# KiCad board open_jip.kicad_pcb
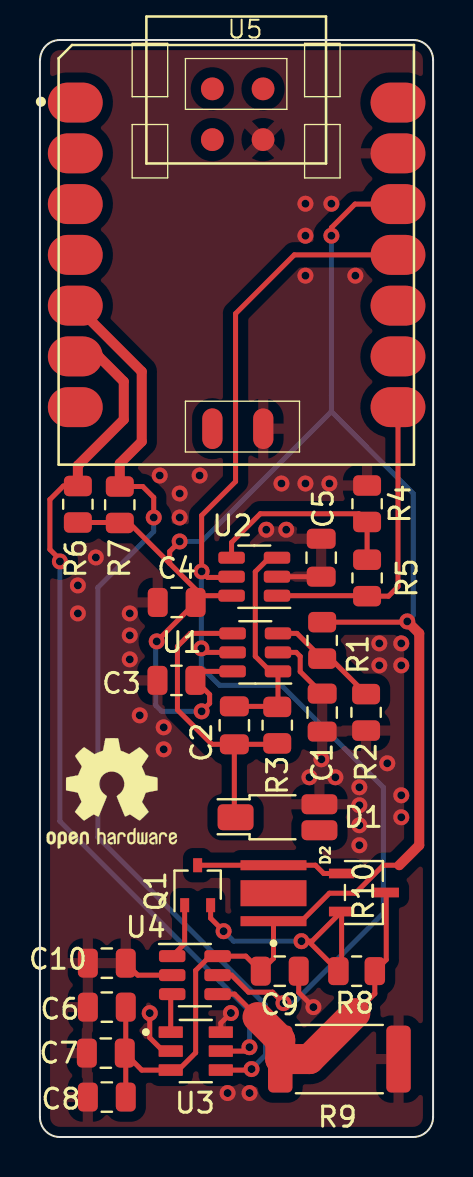
[diagram p0: board, top side]
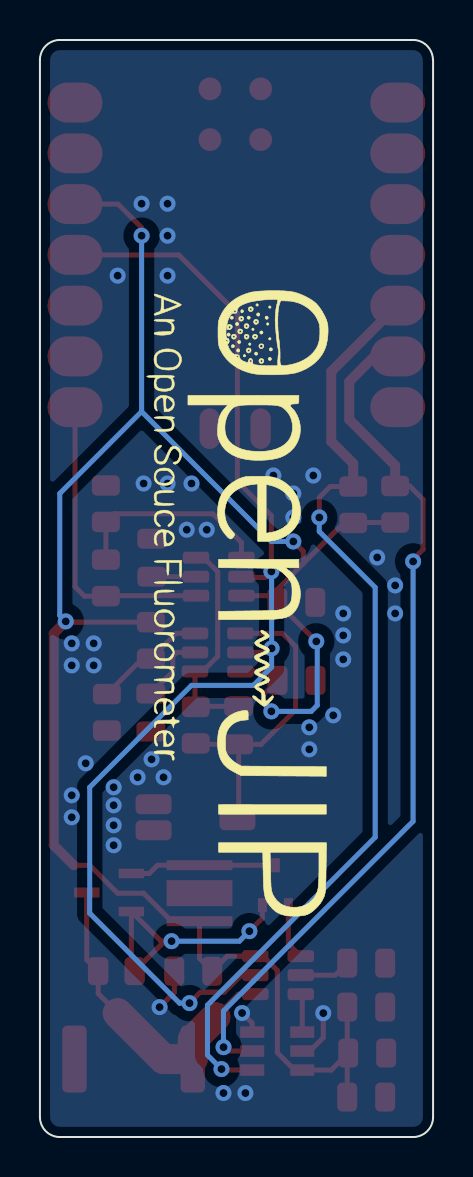
[diagram p1: board, bottom side, seen from below]

Outline 19.69 x 54.89 mm; copper layers: Top, Bottom. Coordinates in mm from the lower left corner of the outline.
Outline path: 0,53.9 0,1 arc(0.29,0.29) 1,0 18.69,0 arc(19.4,0.29) 19.69,1 19.69,53.89 arc(19.4,54.6) 18.69,54.89 1.01,54.89 arc(0.3,54.6) 0.01,53.89
Stack: Top 0.035mm / dielectric 1.51mm FR4 er 4.5 / Bottom 0.035mm

## Placement (name value [footprint] x y rotation side)
C1  0.1uF  [C_0805_2012Metric]  14.14 21.24 270 top
C2  0.1pF  [C_0805_2012Metric]  9.74 20.6 90 top
C3  0.1uF  [C_0805_2012Metric]  6.84 22.85 0 top
C4  0.1uF  [C_0805_2012Metric]  6.85 26.75 0 top
C5  0.1uF  [C_0805_2012Metric]  14.09 28.99 90 top
C6  10uF  [C_0805_2012Metric]  3.35 6.5 180 top
C7  1uF  [C_0805_2012Metric]  3.3 4.2 180 top
C8  0.1uF  [C_0805_2012Metric]  3.35 2 180 top
C9  0.1uF  [C_0805_2012Metric]  12.01 8.3 180 top
C10  0.1uF  [C_0805_2012Metric]  3.35 8.7 0 top
D1  SFH2400  [Osram_SMD-SmartDIL]  11.9 16 0 top
D2  XPEBRD-L1-0000-00901  [LED_XPEBRD-L1-0000-00901]  11.7 12.2 90 top
Q1  BSS214NW  [SOT-323_SC-70]  7.9 12.6 90 top
R1  1M  [R_0805_2012Metric]  14.14 24.85 90 top
R2  33K  [R_0805_2012Metric]  16.34 21.25 90 top
R3  10K  [R_0805_2012Metric]  11.89 20.61 90 top
R4  1K  [R_0805_2012Metric]  16.39 31.69 270 top
R5  10K  [R_0805_2012Metric]  16.39 27.98 90 top
R6  4.7K  [R_0805_2012Metric]  1.9 31.66 90 top
R7  4.7K  [R_0805_2012Metric]  4 31.64 90 top
R8  10K  [R_0805_2012Metric]  15.86 8.3 0 top
R9  6  [R_2512_6332Metric]  15 3.9 0 top
R10  -  [2SD2671TL]  16.23 12.23 270 top
REF**  -  [OSHW-Logo2_7.3x6mm_SilkScreen]  3.6 17.2 0 top
U1  OPA355NA  [SOT-23-6]  10.79 24.25 180 top
U2  OPA355NA  [SOT-23-6]  10.74 28.04 180 top
U3  DAC5571IDBVR  [SOT95P280X145-6N]  7.81 4.3 0 top
U4  OPA355NA  [SOT-23-6]  7.76 8.1 0 top
U5  SeeeduinoXIAO  [Seeeduino XIAO-MOUDLE14P-2.54-21X17.8MM]  0.94 33.64 0 top

## Library data of the parts
D2 = -: MANUFACTURER: CREE
R10 = -: Field4: *; Field5: Copyright 2021 Accelerated Designs. All rights reserved.; Field6: 0.05in/1.27mm; Field7: 0.019in/0.483mm; Field8: *

## Footprints (pads in the part's own frame, mm; a bottom-side part is the same pattern mirrored in y, then rotated)
2SD2671TL
  rect 0.483x1.27 smd: 1(-0.953,-1.118) 2(0.953,-1.118) 3(0,1.118)
C_0805_2012Metric
  rrect 1x1.45 smd: 1(-0.95,0) 2(0.95,0)
LED_XPEBRD-L1-0000-00901
  rect 0.5x3.3 smd: 1(-1.4,0) 2(1.4,0)
  rect 1.3x3.3 smd: 3(0,0)
Osram_SMD-SmartDIL
  rrect 1.8x1.3 smd: 1(-2.1,0)
  rrect 1.8x1 smd: 2(2.1,0.65) 3(2.1,-0.65)
R_0805_2012Metric
  rrect 1.025x1.4 smd: 1(-0.912,0) 2(0.912,0)
R_2512_6332Metric
  rrect 1.225x3.35 smd: 1(-2.962,0) 2(2.962,0)
Seeeduino XIAO-MOUDLE14P-2.54-21X17.8MM
  oval 2.748x1.999 smd: 1(0.833,18.118) 2(0.833,15.578) 3(0.833,13.038) 4(0.833,10.498) 5(0.833,7.958) 6(0.833,5.418) 7(0.833,2.878) 8(16.998,2.878) 9(16.998,5.418) 10(16.998,7.958) 11(16.998,10.498) 12(16.998,13.038) 13(16.998,15.578) 14(16.998,18.118)
  oval 1.016x2.032 smd: 15(7.7,1.8) 16(10.25,1.8)
  round 1.143 smd: 17(7.699,18.804) 18(10.239,18.804) 19(7.699,16.264) 20(10.239,16.264)
SOT95P280X145-6N
  rrect 1.21x0.58 smd: 1(-1.255,0.95) 2(-1.255,0) 3(-1.255,-0.95) 4(1.255,-0.95) 5(1.255,0) 6(1.255,0.95)
SOT-23-6
  rrect 1.325x0.6 smd: 1(-1.137,0.95) 2(-1.137,0) 3(-1.137,-0.95) 4(1.137,-0.95) 5(1.137,0) 6(1.137,0.95)
SOT-323_SC-70
  rect 0.7x0.45 smd: 1(-1,0.65) 2(-1,-0.65) 3(1,0)

## Nets
+3.3V: C3.2 C4.2 C6.1 C7.1 C8.1 C9.2 D2.1 R1.2 R6.1 R7.1 U1.6 U2.6 U3.3 U4.6 U5.12
+5V: U5.14
GND: C1.1 C1.2 C3.1 C4.1 C5.1 C5.2 C6.2 C7.2 C8.2 C9.1 C10.1 C10.2 D1.2 R2.1 R4.1 R9.2 U1.2 U2.2 U3.2 U3.6 U4.2 U5.13 U5.16 U5.20
D(out): R5.1 U2.1 U5.8
SCL: R6.2 U3.5 U5.6
SDA: R7.2 U3.4 U5.5
SHDN: U1.5 U2.5 U4.5 U5.11
Net-(C2-Pad1): C2.1 D1.1 R3.1 U1.4
Net-(C2-Pad2): C2.2 R3.2 U1.1 U2.3
Net-(D2-Pad2): D2.2 Q1.3 R10.1
Net-(Q1-Pad1): Q1.1 U4.1
Net-(Q1-Pad2): Q1.2 R8.1 R10.2
Net-(R1-Pad1): R1.1 R2.2 U1.3
Net-(R4-Pad2): R4.2 R5.2 U2.4
Net-(R10-Pad3): R8.2 R9.1 R10.3 U4.4
Net-(U3-Pad1): U3.1 U4.3

Pads without a net: D1 3; D2 3; U5 1 2 3 4 7 9 10 15 17 18 19

## Via types
v1: diameter 0.8, hole 0.4, Top to Bottom, 56 vias

## Routing (per net, layer and track width the routed paths; a pad name or vN(x,y) marks a point on that pad's centre or on a via; arc(x,y) is an arc through that point)
+3.3V: length 103
  Top w0.25: C6.1 C8.1 ; R1.2 18.36,25.76 v1(18.4,25.8) ; C4.2 7.8,27.4 6.5,28.7 ; C4.2 v1(5.85,24.8) ; C4.2 8.14,27.09 U2.6 ; U3.3 5.1,3.35 C7.1 ; 6.93,3.35 7.8,4.22 7.8,8.33 8.52,9.05 U4.6 10.31,9.05 C9.2 11.7,8.94 D2.1 13.1,10.8 14.5,12.2 15.8,12.2 17.2,13.6 18,13.6 ; 6.5,28.7 6.5,29.3 v1(7,29.8) ; 6.5,28.7 4.48,30.73 R7.1 3.98,30.75 R6.1 ; U1.6 8.24,23.3 C3.2 8.5,22.14 8.5,21.7 v1(8.1,21.3) ; v1(14.6,45.1) 14.6,45.5 15.78,46.68 U5.12
  Top w0.5: v1(18.4,25.8) 19,25.2 19,14.6 18,13.6
  Bottom w0.25: v1(5.85,24.8) 5.8,24.75 5.8,21.6 6.1,21.3 v1(8.1,21.3) ; v1(18.4,25.8) 18.7,26.1 18.7,32.2 14.6,36.3 ; v1(7,29.8) 8.1,29.8 14.6,36.3 ; v1(14.6,45.1) 14.6,36.3
GND: length 14.1
  Top w0.25: C9.1 12.96,7.24 v1(13.7,6.5) ; C1.1 13.04,23.29 13.04,24.05 12.84,24.25 11.92,24.25 ; U3.2 6.17,4.3 5.5,4.97 v1(5.5,6.2) ; U3.6 9.06,5.7 v1(9.57,6.21) ; U4.2 4.9,8.1 C10.2 ; U2.2 C5.1
  vias: v1(1.9,27.6) v1(1.9,26.2) v1(2.8,29) v1(4.5,26.2) v1(4.5,25.1) v1(4.5,23.9) v1(5,21.1) v1(6,33.1) v1(6.2,20.5) v1(6.2,19.4) v1(7,32.2) v1(7,31) v1(8,33.1) v1(9.4,2.2) v1(10.5,2.2) v1(11.34,30.39) v1(12.1,32.7) v1(12.34,30.39) v1(13.3,46.7) v1(13.3,45.1) v1(13.3,43.1) v1(13.3,32.7) v1(13.5,18) v1(14.1,18.9) v1(14.5,32.7) v1(14.6,46.7) v1(14.8,18) v1(15.8,43.1) v1(16,17.5) v1(16,16.6) v1(16,15.6) v1(16,14.6) v1(17,24.7) v1(17,23.6) v1(17.4,18.7) v1(18.1,24.7) v1(18.1,23.6) v1(18.1,17.1) v1(18.1,16)
D(out): length 15.3
  Top w0.25: U5.8 17.94,27.54 17.46,27.06 R5.1 16.36,27.09 U2.1
SCL: length 43.9
  Top w0.25: v1(1,28.8) 1,28.9 0.5,29.4 0.5,31.9 1.17,32.58 R6.2 ; U3.5 10.3,4.3 v1(10.5,4.5)
  Top w0.5: U5.6 2.94,39.06 4.2,37.8 4.2,35.9 1.9,33.6 R6.2
  Bottom w0.25: v1(1,28.8) 1,15.8 10.5,6.3 10.5,4.5 v1(10.5,4.5)
SDA: length 47.9
  Top w0.25: v1(5.7,31) 5.7,32 5.15,32.55 R7.2 ; v1(10.6,3.4) 10.55,3.35 U3.4
  Top w0.5: U5.5 1.8,41.6 5.1,38.3 5.1,34.8 4,33.7 R7.2
  Bottom w0.25: v1(5.7,31) 5.7,30.3 2.9,27.5 2.9,15 11.3,6.6 11.3,4.1 v1(10.6,3.4)
SHDN: length 59.7
  Top w0.25: v1(8.09,24.45) 8.29,24.25 U1.5 ; U5.11 12.74,44.14 9.8,41.2 9.8,32.8 8.1,31.1 v1(8.1,28.3) 8.4,28 9.56,28 U2.5 ; U4.5 9.6,8.1 10.45,7.25 11.65,7.25 v1(12.2,6.7)
  Bottom w0.25: v1(8.1,28.3) 8.09,28.29 v1(8.09,24.45) 8.09,23.51 9,22.6 12.1,22.6 17.2,17.5 17.2,11.2 12.7,6.7 v1(12.2,6.7)
Net-(C2-Pad1): length 15.6
  Top w0.25: C2.1 11.84,19.65 R3.1 ; C2.1 9.74,16.06 D1.1 ; C2.1 8.61,19.65 6.89,21.37 6.89,24.55 7.54,25.2 U1.4
Net-(C2-Pad2): length 11
  Top w0.25: U2.3 11.49,28.99 10.79,28.28 10.79,24.05 11.54,23.3 11.92,23.3 11.92,21.56 R3.2 11.86,21.55 C2.2
Net-(D2-Pad2): length 7.4
  Top w0.25: R10.1 14.21,13.19 13.8,13.6 D2.2 Q1.3
Net-(Q1-Pad1): length 2.8
  Top w0.25: Q1.1 7.25,9.67 U4.1
Net-(Q1-Pad2): length 13.8
  Top w0.25: v1(9.2,10.3) 8.55,10.95 Q1.2 ; 15.11,8.46 R8.1 13.45,9.8 v1(13.1,9.8) 13.63,9.8 R10.2 15.11,8.46
  Bottom w0.25: v1(13.1,9.8) 9.7,9.8 v1(9.2,10.3)
Net-(R1-Pad1): length 5.7
  Top w0.25: 11.92,25.2 12.88,25.2 R1.1 14.56,23.94 R2.2
Net-(R4-Pad2): length 10.2
  Top w0.25: R5.2 R4.2 15.98,31.19 11.04,31.19 9.6,29.75 U2.4
Net-(R10-Pad3): length 16.4
  Top w0.25: 10.9,6 9.75,7.15 U4.4 ; 15.8,6.2 16.78,7.17 16.78,8.3 17.35,8.87 R10.3
  Top w1.5: 15.8,6.2 13.5,3.9 R9.1 12.04,4.86 10.9,6
Net-(U3-Pad1): length 1.9
  Top w0.25: U3.1 6.55,7.08 U4.3

## Copper pours and planes (outline as drawn; the poured copper is in the pictures)
GND on Top, Bottom: 24.7,-3.4 -4.8,-3.5 -4.8,57.8 24.5,58.1
